# KiCad board hdmi-edid-debug-board.kicad_pcb (continued)
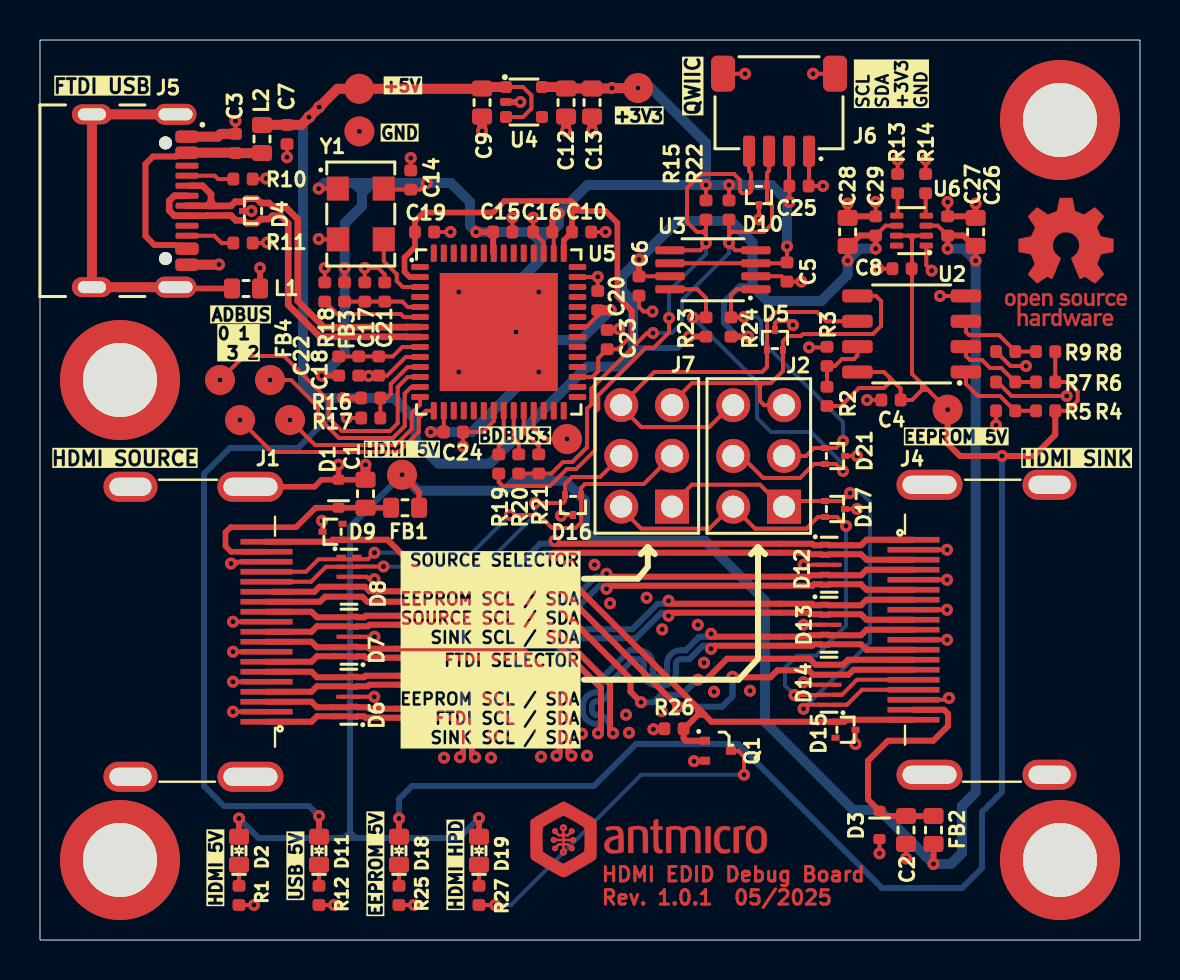
[diagram p0: board, top side]
## Library data of the parts (continued)
R10 = -: Datasheet: https://www.bourns.com/docs/product-datasheets/cr.pdf; MPN: CR0402-FX-5101GLF; Manufacturer: Bourns; License: Apache-2.0; Author: Antmicro; Val: 5k1; Tolerance: 1%; Public: False; Field11: License: Apache-2.0; Field13: Author: Antmicro
R11 = -: Datasheet: https://www.bourns.com/docs/product-datasheets/cr.pdf; MPN: CR0402-FX-5101GLF; Manufacturer: Bourns; License: Apache-2.0; Author: Antmicro; Val: 5k1; Tolerance: 1%; Public: False; Field11: License: Apache-2.0; Field12: Author: Antmicro
R12 R27 = -: Datasheet: https://www.bourns.com/docs/product-datasheets/cr.pdf; Description: SMD Chip Resistor, 560 ohm, ± 1%, 100 mW, 0402 [1005 Metric], Thick Film, Precision; MPN: CR0402-FX-5600GLF; Manufacturer: Bourns; License: Apache-2.0; Author: Antmicro; Val: 560R; Tolerance: 1%; Field10: Author: Antmicro; Field12: License: Apache-2.0
R13 R14 = -: Datasheet: https://industrial.panasonic.com/cdbs/www-data/pdf/RDA0000/AOA0000C301.pdf; Description: SMD Chip Resistor, Jumper, 0 ohm, 100 mW, 0402 [1005 Metric], Thick Film, General Purpose; MPN: ERJ2GE0R00X; Manufacturer: Panasonic; License: Apache-2.0; Author: Antmicro; Val: 0R; Current: 1A; Field11: License: Apache-2.0; Field12: Author: Antmicro
R15 = -: Datasheet: https://www.bourns.com/docs/product-datasheets/cr.pdf; Description: SMD Chip Resistor, 4.7 kohm, ± 1%, 62.5 mW, 0402 [1005 Metric], Thick Film, General Purpose; Manufacturer: Bourns; MPN: CR0402-FX-4701GLF; Val: 4k7; License: Apache-2.0; Author: Antmicro; Tolerance: 1%; Field10: License: Apache-2.0; Field12: Author: Antmicro
R16 = -: Datasheet: https://www.bourns.com/docs/product-datasheets/cr.pdf; Manufacturer: Bourns; MPN: CR0402-FX-4701GLF; Val: 4k7; License: Apache-2.0; Author: Antmicro; Tolerance: 1%; Public: False; Field11: Author: Antmicro; Field12: License: Apache-2.0
R17 = -: Datasheet: https://www.bourns.com/docs/product-datasheets/cr.pdf; Manufacturer: Bourns; MPN: CR0402-FX-1002GLF; Val: 10k; License: Apache-2.0; Author: Antmicro; Tolerance: 1%; Public: False; Field11: License: Apache-2.0; Field12: Author: Antmicro
R18 = -: Datasheet: https://www.bourns.com/docs/product-datasheets/cr.pdf; Manufacturer: Bourns; MPN: CR0402-FX-1202GLF; Val: 12k; License: Apache-2.0; Author: Antmicro; Tolerance: 1%; Public: False; Field11: License: Apache-2.0; Field13: Author: Antmicro
R19 = -: Datasheet: https://industrial.panasonic.com/cdbs/www-data/pdf/RDA0000/AOA0000C301.pdf; Description: SMD Chip Resistor, Jumper, 0 ohm, 100 mW, 0402 [1005 Metric], Thick Film, General Purpose; MPN: ERJ2GE0R00X; Manufacturer: Panasonic; License: Apache-2.0; Author: Antmicro; Val: 0R; Current: 1A; Field12: Author: Antmicro; Field13: License: Apache-2.0
R20 R21 = -: Datasheet: https://industrial.panasonic.com/cdbs/www-data/pdf/RDA0000/AOA0000C301.pdf; Description: SMD Chip Resistor, Jumper, 0 ohm, 100 mW, 0402 [1005 Metric], Thick Film, General Purpose; MPN: ERJ2GE0R00X; Manufacturer: Panasonic; License: Apache-2.0; Author: Antmicro; Val: 0R; Current: 1A; Field11: Author: Antmicro; Field13: License: Apache-2.0
R22 R23 = -: Datasheet: https://www.bourns.com/docs/product-datasheets/cr.pdf; Description: SMD Chip Resistor, 4.7 kohm, ± 1%, 62.5 mW, 0402 [1005 Metric], Thick Film, General Purpose; MPN: CR0402-FX-4701GLF; Manufacturer: Bourns; License: Apache-2.0; Author: Antmicro; Val: 4k7; Tolerance: 1%; Field11: License: Apache-2.0; Field12: Author: Antmicro
R24 = -: Datasheet: https://www.bourns.com/docs/product-datasheets/cr.pdf; Description: SMD Chip Resistor, 4.7 kohm, ± 1%, 62.5 mW, 0402 [1005 Metric], Thick Film, General Purpose; MPN: CR0402-FX-4701GLF; Manufacturer: Bourns; License: Apache-2.0; Author: Antmicro; Val: 4k7; Tolerance: 1%; Field10: Author: Antmicro; Field12: License: Apache-2.0
R25 = -: Datasheet: https://www.bourns.com/docs/product-datasheets/cr.pdf; Description: SMD Chip Resistor, 560 ohm, ± 1%, 100 mW, 0402 [1005 Metric], Thick Film, Precision; MPN: CR0402-FX-5600GLF; Manufacturer: Bourns; License: Apache-2.0; Author: Antmicro; Val: 560R; Tolerance: 1%; Field10: License: Apache-2.0; Field11: Author: Antmicro
R26 = -: Datasheet: https://www.bourns.com/docs/product-datasheets/cr.pdf; MPN: CR0402-FX-1002GLF; Manufacturer: Bourns; License: Apache-2.0; Author: Antmicro; Val: 10k; Tolerance: 1%; Field11: Author: Antmicro; Field12: License: Apache-2.0
REF** = -: Field4: License: Apache-2.0; Field5: Author: Antmicro
REF**#2 = -: Field4: License: Apache-2.0; Field6: Author: Antmicro
TP1 TP3 TP8 = -: Description: test point, SMT; Author: Antmicro; License: Apache-2.0; Field8: Author: Antmicro; Field10: License: Apache-2.0
TP2 = -: Description: test point, SMT; Author: Antmicro; License: Apache-2.0; Field8: Author: Antmicro; Field9: License: Apache-2.0
TP4 TP5 TP10 = -: Description: test point, SMT; Author: Antmicro; License: Apache-2.0; Field9: Author: Antmicro; Field10: License: Apache-2.0
TP6 = -: Description: test point, SMT; Author: Antmicro; License: Apache-2.0; Field8: License: Apache-2.0; Field10: Author: Antmicro
TP7 = -: Description: test point, SMT; Author: Antmicro; License: Apache-2.0; Field8: License: Apache-2.0; Field9: Author: Antmicro
TP9 = -: Description: test point, SMT; Author: Antmicro; License: Apache-2.0; Field9: License: Apache-2.0; Field10: Author: Antmicro
U2 = -: Datasheet: https://www.mouser.com/datasheet/2/268/24AA024_24LC024_24AA025_24LC025_2_Kbit_I2C_Serial_-3005761.pdf; Description: EEPROM, 2 Kbit, 256 x 8bit, Serial I2C (2-Wire), 1.7V-5.5V, 400 kHz, SOIC 8 Pins; MPN: 24AA024T-I/SN; Manufacturer: Microchip Technology; Author: Antmicro; License: Apache-2.0; Field9: License: Apache-2.0; Field10: Author: Antmicro
U3 = -: Datasheet: https://www.mouser.com/datasheet/2/302/NTS0102-1127324.pdf; Description: Transceiver, 1.65 V to 3.6 V, TSSOP-8; MPN: NTS0102DP; Manufacturer: NXP; Author: Antmicro; License: Apache-2.0; Field8: License: Apache-2.0; Field10: Author: Antmicro
U4 = -: Datasheet: https://www.ti.com/general/docs/suppproductinfo.tsp?distId=26&gotoUrl=http%3A%2F%2Fwww.ti.com%2Flit%2Fgpn%2Ftlv700; MPN: TLV70033DCKR; Manufacturer: Texas Instruments; Author: Antmicro; License: Apache-2.0; Field8: Author: Antmicro; Field10: License: Apache-2.0
U5 = -: Datasheet: https://ftdichip.com/wp-content/uploads/2024/09/DS_FT4232H.pdf; Description: Interface Bridges, USB to UART, MPSSE, 1.62 V, 1.98 V, VQFN, 56 Pins, -40 °C; Manufacturer: FTDI Chip; MPN: FT4232H-56Q-REEL; Author: Antmicro; License: Apache-2.0; Field8: Author: Antmicro; Field9: License: Apache-2.0
U6 = -: Datasheet: https://www.ti.com/lit/ds/symlink/tps2117.pdf; Description: TPS2117 1.6-V to 5.5-V, 4-A Low IQ Power Mux With Manual and Priority Switchover; Manufacturer: Texas Instruments; Author: Antmicro; License: Apache-2.0; Field8: License: Apache-2.0; Field9: Author: Antmicro; ki_fp_filters: DRL0008A-MFG
Y1 = -: Datasheet: https://www.mouser.com/datasheet/2/3/ASFLMB-24525.pdf; MPN: ASFLMB-12.000MHZ-LC-T; Manufacturer: Abracon; Author: Antmicro; License: Apache-2.0; Val: 12 MHz; Public: False; Field10: Author: Antmicro; Field11: License: Apache-2.0

## Footprints (pads in the part's own frame, mm; a bottom-side part is the same pattern mirrored in y, then rotated)
C_0402_1005Metric
  rrect 0.59x0.64 smd: 1(-0.48,0) 2(0.48,0)
C_0603_1608Metric
  rrect 0.8x1 smd: 1(-0.7,0) 2(0.7,0)
Conn_JST_SH_1x4_SM04B-SRSS-TB-LF-SN
  rrect 0.6x1.55 smd: 1(-1.5,2.12) 2(-0.5,2.12) 3(0.5,2.12) 4(1.5,2.12)
  rrect 1.2x1.8 smd: MP(-2.8,-1.755) MP(2.8,-1.755)
FB_0402_1005Metric
  rrect 0.59x0.64 smd: 1(-0.48,0) 2(0.48,0)
FB_0603_1608Metric
  rrect 0.8x1 smd: 1(-0.7,0) 2(0.7,0)
HDMI-A_Receptacle_WE_685119134923
  rect 0.28x2.6 smd: 1(-4.55,-5.224) 2(-4.05,-5.224) 3(-3.551,-5.224) 4(-3.051,-5.224) 5(-2.551,-5.224) 6(-2.05,-5.224) 7(-1.551,-5.224) 8(-1.051,-5.224) 9(-0.551,-5.224) 10(-0.051,-5.224) 11(0.45,-5.224) 12(0.95,-5.224) 13(1.449,-5.224) 14(1.949,-5.224) 15(2.45,-5.224) 16(2.95,-5.224) 17(3.45,-5.224) 18(3.95,-5.224) 19(4.45,-5.224)
  oval 1.5x2.7 hole 0.9x2.1: SH(-7.3,1.577) SH(7.2,1.577)
  oval 1.5x3.3 hole 0.9x2.7: SH(-7.3,-4.424) SH(7.2,-4.424)
LED_0603_1608Metric_G
  rrect 0.8x1 smd: 1(-0.7,0) 2(0.7,0)
Nexperia_DFN-10_2.5x1mm_P0.5mm
  rect 0.2x0.475 smd: 1(-1,-0.388) 2(-0.5,-0.388) 3(0,-0.388) 4(0.5,-0.388) 5(1,-0.388) 6(1,0.388) 7(0.5,0.388) 8(0,0.388) 9(-0.501,0.388) 10(-1,0.388)
Oscillator_SMD_Abracon_ASFLMB_5x3.2x0.85mm
  rect 1.1x1.2 smd: 1(-1.049,1.17) 2(-1.049,-1.369) 3(1.252,-1.369) 4(1.252,1.17)
PinHeader_2x3_P2.54mm_Drill1.1mm
  rect 1.7x1.7 hole 1.1: 1(0,0)
  oval 1.7x1.7 hole 1.1: 2(2.539,0) 3(0,-2.539) 4(2.539,-2.539) 5(0,-5.078) 6(2.539,-5.078)
QFN-56-1EP_8x8mm_P0.5mm
  rrect 1.13x1.13 smd: (-2.101,2.101) (-2.101,0.7) (-2.101,-0.699) (-2.101,-2.1) (-0.7,2.101) (-0.7,0.7) (-0.7,-0.699) (-0.7,-2.1) (0.699,2.101) (0.699,0.7) (0.699,-0.699) (0.699,-2.1) (2.1,2.101) (2.1,0.7) (2.1,-0.699) (2.1,-2.1)
  rrect 0.875x0.3 smd: 1(-3.938,3.25) 2(-3.938,2.75) 3(-3.938,2.25) 4(-3.938,1.75) 5(-3.938,1.25) 6(-3.938,0.75) 7(-3.938,0.25) 8(-3.938,-0.249) 9(-3.938,-0.749) 10(-3.938,-1.249) 11(-3.938,-1.749) 12(-3.938,-2.249) 13(-3.938,-2.749) 14(-3.938,-3.249) 29(3.937,-3.249) 30(3.937,-2.749) 31(3.937,-2.249) 32(3.937,-1.749) 33(3.937,-1.249) 34(3.937,-0.749) 35(3.937,-0.249) 36(3.937,0.25) 37(3.937,0.75) 38(3.937,1.25) 39(3.937,1.75) 40(3.937,2.25) 41(3.937,2.75) 42(3.937,3.25)
  rrect 0.3x0.875 smd: 15(-3.25,-3.937) 16(-2.75,-3.937) 17(-2.25,-3.937) 18(-1.75,-3.937) 19(-1.25,-3.937) 20(-0.75,-3.937) 21(-0.25,-3.937) 22(0.249,-3.937) 23(0.749,-3.937) 24(1.249,-3.937) 25(1.749,-3.937) 26(2.249,-3.937) 27(2.749,-3.937) 28(3.249,-3.937) 43(3.249,3.938) 44(2.749,3.938) 45(2.249,3.938) 46(1.749,3.938) 47(1.249,3.938) 48(0.749,3.938) 49(0.249,3.938) 50(-0.25,3.938) 51(-0.75,3.938) 52(-1.25,3.938) 53(-1.75,3.938) 54(-2.25,3.938) 55(-2.75,3.938) 56(-3.25,3.938)
  rect 5.9x5.9 smd: 57(0,0)
R_0402_1005Metric
  rrect 0.59x0.64 smd: 1(-0.48,0) 2(0.48,0)
SC-70-5
  rrect 0.6x0.6 smd: 1(-0.756,-0.893) 3(0.743,-0.893) 4(0.743,0.907) 5(-0.756,0.907)
  rrect 0.4x0.6 smd: 2(-0.006,-0.893)
SOD-523
  rrect 0.5x0.6 smd: 1(-0.701,0) 2(0.699,0)
SOIC-8_3.9x4.9x1.75mm_P1.27mm
  rrect 1.525x0.65 smd: 1(-2.714,1.905) 2(-2.714,0.635) 3(-2.714,-0.632) 4(-2.714,-1.902) 5(2.712,-1.902) 6(2.712,-0.632) 7(2.712,0.635) 8(2.712,1.905)
SOT-523
  rect 0.4x0.51 smd: 1(-0.5,-0.65) 2(0.498,-0.65) 3(0,0.652)
SOT-583
  rrect 0.67x0.3 smd: 1(-0.739,0.75) 2(-0.739,0.251) 3(-0.739,-0.249) 4(-0.739,-0.75) 5(0.74,-0.75) 6(0.74,-0.249) 7(0.74,0.251) 8(0.74,0.75)
SOT-723
  rect 0.4x0.3 smd: 1(-0.501,0.401) 2(-0.501,-0.399) 3(0.499,0.001)
Spacer_Drill3.7mm_H5mm_9774050151R
  custom 2.563x2.563 smd: (-1.7,-1.7) (-1.7,1.7) (1.7,-1.7) (1.7,1.7)
  round 6 hole 3.7: 1(0,0)
TP_SMD_1.5mm
  round 1.5 smd: 1(0,0)
TSSOP-8_3x3mm_P0.65mm
  rrect 1.47x0.4 smd: 1(-2.148,0.962) 2(-2.148,0.313) 3(-2.148,-0.338) 4(-2.148,-0.987) 5(2.151,-0.987) 6(2.151,-0.338) 7(2.151,0.313) 8(2.151,0.962)
USB-C_Receptacle_GCT_USB4105-GF-A
  round 0.65 hole 0.65 unplated: (-2.891,2.426) (2.89,2.426)
  rrect 0.6x1.15 smd: A1(-3.202,3.5) A4(-2.4,3.5) A9(2.398,3.5) A12(3.2,3.5) B1(3.2,3.5) B4(2.398,3.5) B9(-2.4,3.5) B12(-3.202,3.5)
  rrect 0.3x1.15 smd: A5(-1.25,3.5) A6(-0.25,3.5) A7(0.248,3.5) A8(1.249,3.5) B5(1.749,3.5) B6(0.748,3.5) B7(-0.75,3.5) B8(-1.75,3.5)
  oval 1.05x2.1 hole 0.6x1.7: SH(-4.321,2.926) SH(4.32,2.926)
  oval 1x2 hole 0.6x1.4: SH(-4.321,-1.255) SH(4.32,-1.255)

## Nets
+3V3: C5.1 C12.1 C13.1 C14.1 C15.1 C16.1 C20.1 C24.1 C25.2 FB3.1 FB4.1 J6.2 R15.2 R22.2 TP10.1 U3.3 U3.6 U4.5 U5.16 U5.36 U5.44 U5.50 Y1.1 Y1.4
+5V: C6.1 C7.1 C9.1 C28.2 C29.2 D11.2 L2.1 R16.2 R23.2 R24.2 TP9.1 U3.7 U4.1 U4.3 U6.6
GND: C1.1 C2.1 C3.2 C4.1 C5.2 C6.2 C7.2 C8.1 C9.2 C10.2 C12.2 C13.2 C14.2 C15.2 C16.2 C17.2 C18.1 C19.2 C20.2 C21.2 C22.1 C23.2 C24.2 C25.1 C26.1 C27.1 C28.1 C29.1 D1.2 D3.2 D4.3 D5.3 D6.3 D6.8 D7.3 D7.8 D8.3 D8.8 D9.3 D10.3 D12.3 D12.8 D13.3 D13.8 D14.3 D14.8 D15.3 D16.3 D17.3 D21.3 H1.1 H2.1 H3.1 H4.1 J1.2 J1.5 J1.8 J1.11 J1.17 J1.SH J4.2 J4.5 J4.8 J4.11 J4.17 J4.SH J5.A1 J5.A12 J5.B1 J5.B12 J6.1 J6.MP L1.2 Q1.2 R1.1 R3.1 R5.1 R7.1 R9.1 R10.2 R11.2 R12.2 R13.1 R14.1 R17.1 R18.2 R25.2 R26.1 TP1.1 U2.4 U3.2 U4.2 U5.10 U5.21 U5.41 U5.45 U5.57 U6.1 Y1.2
GNDREF: J5.SH L1.1
/A0: R4.1 R5.2 U2.1
/A1: R6.1 R7.2 U2.2
/A2: R8.1 R9.2 U2.3
/EEPROM_5V: C4.2 C8.2 D18.2 R2.2 R4.2 R6.2 R8.2 TP8.1 U2.8 U6.2 U6.7
/EEPROM_SCL: D5.1 J2.6 J7.6 U2.6
/EEPROM_SDA: D5.2 J2.5 J7.5 U2.5
/FTDI_SCL: D21.2 J2.4 R23.1 U3.8
/FTDI_SDA: D21.1 J2.3 R24.1 U3.1
/HDMI_5V: C26.2 C27.2 D2.2 D19.2 FB1.2 FB2.1 TP2.1 U6.3
/HDMI_CEC: D8.5 D8.6 D14.5 D14.6 J1.13 J4.13
/HDMI_CK_N: D7.5 D7.6 D13.5 D13.6 J1.12 J4.12
/HDMI_CK_P: D7.4 D7.7 D13.4 D13.7 J1.10 J4.10
/HDMI_D0_N: D7.2 D7.9 D13.2 D13.9 J1.9 J4.9
/HDMI_D0_P: D7.1 D7.10 D13.1 D13.10 J1.7 J4.7
/HDMI_D1_N: D6.5 D6.6 D12.5 D12.6 J1.6 J4.6
/HDMI_D1_P: D6.4 D6.7 D12.4 D12.7 J1.4 J4.4
/HDMI_D2_N: D6.2 D6.9 D12.2 D12.9 J1.3 J4.3
/HDMI_D2_P: D6.1 D6.10 D12.1 D12.10 J1.1 J4.1
/HDMI_HPD: D9.1 D15.1 J1.19 J4.19 Q1.1 R26.2
/HDMI_UTIL: D8.4 D8.7 D14.4 D14.7 J1.14 J4.14
/OSCI: U5.3 Y1.3
/SCL: D10.2 J6.4 R15.1 R19.2 U3.5
/SDA: D10.1 J6.3 R20.2 R21.2 R22.1 U3.4
/SINK_5V: C2.2 D3.1 FB2.2 J4.18
/SINK_SCL: D14.2 D14.9 D17.2 J2.2 J4.15 J7.2
/SINK_SDA: D14.1 D14.10 D17.1 J2.1 J4.16 J7.1
/SOURCE_5V: C1.2 D1.1 FB1.1 J1.18
/SOURCE_SCL: D8.2 D8.9 D16.2 J1.15 J7.4
/SOURCE_SDA: D8.1 D8.10 D16.1 J1.16 J7.3
/USB_D_N: D4.2 J5.A7 J5.B7 U5.7
/USB_D_P: D4.1 J5.A6 J5.B6 U5.8
/VPHY: C17.1 C21.1 FB3.2 U5.5
/VPLL: C18.2 C22.2 FB4.2 U5.9
/VREGOUT: C10.1 C19.1 C23.1 U5.2 U5.31 U5.43
/WP: R2.1 R3.2 U2.7
/~{RESET}: R16.1 R17.2 U5.11
Net-(C3-Pad1): C3.1 J5.A4 J5.A9 J5.B4 J5.B9 L2.2
Net-(D2-C): D2.1 R1.2
Net-(D11-C): D11.1 R12.1
Net-(D18-C): D18.1 R25.1
Net-(D19-C): D19.1 R27.2
Net-(J5-CC_{1}): J5.A5 R10.1
Net-(J5-CC_{2}): J5.B5 R11.1
Net-(Q1-D): Q1.3 R27.1
Net-(U5-ADBUS0): TP3.1 U5.12
Net-(U5-ADBUS1): TP4.1 U5.13
Net-(U5-ADBUS2): TP5.1 U5.14
Net-(U5-ADBUS3): TP6.1 U5.15
Net-(U5-BDBUS0): R19.1 U5.22
Net-(U5-BDBUS1): R20.1 U5.23
Net-(U5-BDBUS2): R21.1 U5.24
Net-(U5-BDBUS3): TP7.1 U5.25
Net-(U5-REF): R18.1 U5.6
Net-(U6-MODE): R13.2 U6.5
Net-(U6-PR1): R14.2 U6.4

Pads without a net: D9 2; D15 2; J5 A8 B8; U4 4; U5 1 4 17 18 19 20 26 27 28 29 30 32 33 34 35 37 38 39 40 42 46 47 48 49 51 52 53 54 55 56; U6 8

## Via types
v1: diameter 0.6, hole 0.25, Top to Bottom, 175 vias

## Routing (per net, layer and track width the routed paths; a pad name or vN(x,y) marks a point on that pad's centre or on a via; arc(x,y) is an arc through that point)
+3V3: length 96.8
  Top w0.2: U5.16 20.19,25.4 20.19,25.4 ; v1(37.35,34.68) C5.1 37.31,33.84 U3.3 U3.6 ; FB3.1 15.23,33.59 v1(15.24,33.6) ; v1(19.34,37.85) 19.01,37.52 C14.1 17.24,37.52 Y1.4 ; v1(33.3,37.75) 33.3,36.98 ; C16.1 25.69,35.33 U5.44 ; 27.89,31.43 27.89,31.22 27.31,30.65 U5.36 ; v1(13.94,37.57) Y1.1 ; v1(34.45,37.75) 34.45,36.98 ; J6.2 37.45,37.72 C25.2 v1(37.47,36.9)
  Top w0.3: v1(14.09,28.22) FB4.1 ; v1(25.94,36.32) 25.62,35.99 C16.1 ; U5.50 22.66,34.37 C15.1 v1(21.81,35.4) ; v1(19.54,25.4) 20.19,25.4
  Top w0.5: v1(29.9,42.6) v1(28.6,42.6) 28.57,42.57 C13.1 C12.1 26.23,42.65 U4.5 ; v1(28.54,31.49) C20.1
  Bottom w0.5: 16.1,37.35 16.1,37.45 15.7,37.85 ; 16.1,37.35 16.1,36.7 15.24,35.84 15.24,29.37 v1(14.09,28.22) ; 16.1,37.35 16.1,37.77 16.02,37.85 ; 16.1,37.35 16.55,37.8 16.55,37.85 ; v1(33.3,37.75) 27.38,37.75 v1(25.94,36.32) 25.94,35.77 25.57,35.4 25.4,35.4 ; v1(33.3,37.75) v1(34.45,37.75) 36.57,37.75 37.42,36.9 37.35,36.83 v1(37.35,34.68) ; v1(33.3,37.75) 33.3,39.85 30.55,42.6 v1(29.9,42.6) ; 24.97,34.97 24.97,35.4 ; 24.97,34.97 24.98,34.97 25.4,35.4 ; 24.97,34.97 24.95,34.97 24.52,35.4 ; 24.97,34.97 24.97,33.97 23.95,32.95 23.95,31.95 24.97,30.92 24.97,30.38 ; 24.97,35.4 24.52,35.4 ; 24.97,35.4 25.4,35.4 ; 25.32,30 24.97,30.35 24.97,30.38 ; 25.32,30 25,30 24.97,29.97 ; 25.32,30 27.04,30 v1(28.54,31.49) ; 25.32,30 24.97,29.65 24.97,29.62 ; 24.97,29.62 23.9,28.55 23.9,27.7 21.6,25.4 v1(19.54,25.4) ; 24.97,29.62 24.97,29.97 ; 24.52,35.4 21.81,35.4 21.5,35.71 21.5,36.9 20.55,37.85 16.55,37.85 ; 15.7,37.85 16.02,37.85 ; 15.7,37.85 14.22,37.85 v1(13.94,37.57) ; 16.55,37.85 16.02,37.85 ; 24.97,29.97 24.97,30.38
+5V: length 122.3
  Top w0.2: U4.3 24.15,41.15 24.57,41.57 24.57,42.23 24.15,42.65 U4.1 ; U6.6 42.28,35.72 C29.2 ; U3.7 29.91,33.19
  Top w0.28: v1(40.38,33.97) C28.2 ; v1(41.78,34.57) C29.2
  Top w0.3: C29.2 40.99,35.22 40.47,34.7 C28.2 ; v1(32.45,30.17) R23.2 ; v1(15.14,27.1) R16.2 ; v1(13.95,6.2) D11.2 ; v1(29.95,34.03) C6.1 ; v1(35.4,30.17) R24.2
  Top w0.5: 11.1,40.75 C7.1 13.07,40.75 v1(13.45,41.14) ; 13.29,40.98 14.87,42.56 TP9.1 22.09,42.56 C9.1 22.18,42.65 U4.1
  Bottom w0.3: 29.65,29.6 31.88,29.6 v1(32.45,30.17) ; v1(35.4,30.17) 34.88,30.17 34.2,30.85 34.2,31.9 35,32.7 35.62,32.7 ; 14.4,27.1 14.4,26.1 12.9,24.6 9.5,24.6 8.2,23.3 8.2,7.7 9.2,6.7 13.45,6.7 v1(13.95,6.2)
  Bottom w0.5: v1(41.78,34.57) 40.98,34.57 v1(40.38,33.97) 40.38,33.27 39.06,31.95 36.38,31.95 35.62,32.7 35.62,34.88 34.55,35.95 31.87,35.95 v1(29.95,34.03) 29.1,33.18 29.1,32.48 29.65,31.93 29.65,29.4 28.92,28.67 27.35,28.67 22.5,23.82 19.92,23.82 18.77,24.97 18.77,26.02 17.7,27.1 13.8,27.1 13.15,27.75 13.15,40.84 v1(13.96,41.65)
GND: length 98.9
  Top w0.2: R18.2 14.24,33.6 v1(14.24,33.6) ; J1.2 v1(9.65,11.41) ; J1.17 9.64,18.91 ; 39.74,43.1 39.75,43.1 ; 18.54,38.48 18.54,39.1 v1(18.54,39.1) ; 21.15,24.68 C24.2 22.14,25.4 22.69,25.95 U5.21 ; D14.3 38.56,12.76 38.44,12.89 ; R25.2 v1(18.7,1.75) ; v1(28.28,35.4) 28.28,35.4 C10.2 ; D12.8 38.45,18.76 ; 9.95,12.91 9.95,12.91 ; J4.17 45.36,12.01 ; 9.95,14.41 9.95,14.41 ; v1(35.25,43.31) 34.16,43.31 ; C6.2 29.95,31.65 30.17,31.42 v1(30.62,31.42) ; D4.3 10.57,36.45 v1(10.57,36.45) ; v1(35.95,36.03) 35.95,36.03 D10.3 ; C22.1 17.36,28.22 18.29,29.15 U5.10 ; v1(11.3,38.07) 11.27,38.05 R10.2 ; D15.3 v1(40.77,9.8) ; 43.3,4.8 43.3,4.08 ; U2.4 46.29,32.2 v1(45,32.2) ; J1.8 9.65,14.41 ; v1(9.77,40.95) C3.2 ; R9.1 48.52,28.7 v1(49.3,28.7) ; R7.1 47.88,27.9 48.58,27.2 v1(51.33,27.2) ; v1(44.58,33.47) 44.31,33.74 U6.1 ; v1(28.95,30.54) 28.91,30.5 C23.2 ; R1.1 v1(10.7,1.75) ; R17.1 v1(15.34,26.1) ; 26.05,21.25 D16.3 ; C15.2 v1(23.62,36.12) ; J1.11 v1(9.65,15.91) ; 39.15,37.7 C25.1 38.45,37.72 J6.1 ; R12.2 v1(14.7,1.75) ; 38.48,29.66 38.51,29.63 39.32,29.63 R3.1 ; C4.1 41.35,27 ; C17.2 16.24,33.6 ; C27.1 45.38,36.9 ; U5.41 27.64,33.15 27.65,33.16 v1(27.89,33.16) 27.89,32.46 C20.2 ; U5.45 25.19,34.87 C16.2 v1(24.66,36.12) ; 16.46,18.04 16.34,18.16 D8.3 ; v1(45.35,16.51) 45.35,16.51 J4.8 ; D5.3 36.75,30.85 36.85,30.95 37.45,30.95 v1(37.65,30.75) ; C19.2 v1(20.52,35.4) ; v1(12.35,39.14) C7.2 ; v1(14.1,20.96) 14.13,20.94 14.13,20.41 ; D13.8 38.44,15.76 ; Y1.2 13.96,35.03 v1(13.94,35.05) ; R14.1 44.28,39.02 ; D21.3 40.85,24.2 v1(40.85,24.2) ; 34.16,43.1 34.15,43.1 ; 38.07,32.92 C5.2 37.08,33.19 U3.2 ; v1(38.65,43.31) 39.74,43.31 ; J1.5 9.65,12.91 ; 10.68,1.75 10.7,1.77 ; R26.1 30.69,10.56 ; D6.8 16.45,12.16 ; J4.11 v1(45.35,15.01) ; v1(11.35,34.88) 11.32,34.85 R11.2 ; R5.1 47.8,25.74 ; C29.1 41.78,36.9 ; C21.2 17.24,33.27 16.91,33.6 v1(16.24,33.6) ; 9.94,18.91 9.85,18.82 ; 40.85,21.55 D17.3 ; Q1.2 32.72,8.97 ; D7.8 16.46,15.16 ; C8.1 41.9,33.57 ; J4.5 45.35,18.01 ; D3.2 41.97,4.33 ; R13.1 42.88,39.02 ; J4.2 v1(45.35,19.51)
  Top w0.28: v1(14.92,23.76) 14.92,23.01 ; 14.93,23.01 C1.1 ; 14.92,23.01 14.07,23.01 13.72,22.66 J1.SH
  Top w0.3: v1(40.38,36.82) 40.38,36.82 C28.1 40.46,36.18 C29.1 ; L1.2 v1(11,33.6) ; v1(46.78,36.82) 46.78,36.82 C26.1 46.7,36.18 C27.1 ; U4.2 24.02,41.9
  Top w0.5: 7.5,40.16 8.89,40.16 9.03,40.3 C3.2 ; v1(16.27,23.76) C1.1 ; v1(8.95,33.77) 8.94,33.76 J5.A12 ; C13.2 27.6,40.45 ; C9.2 22.1,40.45 ; C12.2 26.3,40.45
  vias: v1(9.55,18.82) v1(9.65,14.41) v1(9.65,12.91) v1(15.97,40.43) v1(16.44,28.2) v1(16.72,18.04) v1(16.72,15.16) v1(16.71,12.16) v1(20.2,9.11) v1(20.94,32.4) v1(20.94,28.4) v1(21.15,24.68) v1(22.1,40.45) v1(22.55,9.11) v1(22.65,10.26) v1(23.8,30.4) v1(24.02,41.9) v1(24.94,32.4) v1(24.94,28.4) v1(25,10.31) v1(25.05,9.16) v1(26.05,21.21) v1(26.3,40.45) v1(26.45,18.76) v1(27.1,10.31) v1(27.35,9.21) v1(27.6,40.45) v1(27.72,18.76) v1(28.5,16.83) v1(29.3,11.26) v1(29.45,10.36) v1(30.33,17.11) v1(30.67,10.54) v1(31.08,11.44) v1(31.11,15.53) v1(32.7,8.94) v1(32.89,15.76) v1(33.2,13.86) v1(33.7,12.41) v1(35.5,12.46) v1(38.07,32.92) v1(38.19,18.76) v1(38.17,15.76) v1(38.17,12.89) v1(38.45,29.63) v1(39.15,37.7) v1(40.85,21.55) v1(41.35,27) v1(41.78,36.9) v1(41.9,33.57) v1(41.98,4.33) v1(42.88,39.02) v1(43.3,4.08) v1(44.28,39.02) v1(45.38,36.9) v1(45.35,18.01) v1(45.45,12.1) v1(47.8,25.74)
GNDREF: length 19.7
  Top w0.28: 6.86,32.57 L1.1
  Top w0.5: J5.SH J5.SH J5.SH J5.SH
/A0: length 4.7
  Top w0.2: R4.1 R5.2 48.74,26.46 48,27.2 46.9,27.2 46.3,27.8 U2.1
/A1: length 4.5
  Top w0.2: U2.2 46.3,29.2 46.5,29 47.1,29 47.5,28.6 48.06,28.6 R7.2 R6.1
/A2: length 4.5
  Top w0.2: U2.3 46.3,30.4 46.46,30.24 47.96,30.24 48.76,29.44 R9.2 R8.1
/EEPROM_5V: length 91
  Top w0.2: R2.2 40.05,26.7 40.95,27.6 42.2,27.6 42.45,27.85 ; 42.45,27.85 42.5,27.9 ; 42.45,27.85 42.6,28 ; 42.5,27.9 42.7,27.9 ; 42.5,27.9 42.5,28.1 42.45,28.15 ; 43.42,35.22 43.45,35.22 43.6,35.06 ; 43.42,35.22 43.6,35.22 ; 43.42,35.22 U6.7 ; 42.7,27.9 42.6,28 ; 42.7,27.9 43.03,27.57 C4.2 43.6,27 44.1,27.5 ; 42.6,28 42.45,28.15 ; U2.8 42.2,28.4 42.45,28.15 ; 44.1,27.5 44.25,27.65 ; 44.1,27.5 44.1,27.8 ; 44.1,27.5 44.4,27.5 ; R4.2 51.37,26.46 51.88,26.97 51.88,27.43 51.41,27.9 R6.2 50.76,27.9 R8.2 ; 44.4,27.5 44.25,27.65 ; 44.4,27.5 v1(45.38,26.52) ; 44.25,27.65 44.1,27.8 ; 43.6,35.22 43.6,35.06 ; 43.6,35.22 43.75,35.22 ; 43.6,35.06 43.6,35.07 43.75,35.22 ; 43.6,35.06 43.6,28.3 44.1,27.8 ; 43.75,35.22 U6.2
  Top w0.3: R4.2 50.76,25.26 49.7,24.2 v1(48.1,24.2) 46,24.2 45.38,24.82 v1(45.38,26.52) ; D18.2 v1(17.95,6.08)
  Bottom w0.3: v1(17.95,6.08) 17.95,7.05 18.6,7.7 27.7,7.7 29.8,9.8 34.9,9.8 42.1,2.6 46.1,2.6 47.1,3.6 47.1,6.4 48.1,7.4 v1(48.1,24.2)
/EEPROM_SCL: length 21.8
  Top w0.2: 28.96,26.75 30.06,25.65 33.47,25.65 34.56,26.74 ; U2.6 39.31,30.93 38.85,31.4 36.8,31.4 36.35,30.95 36.35,28.65 36.1,28.4 30.71,28.4 J7.6
/EEPROM_SDA: length 18.1
  Top w0.2: 31.5,26.75 32.6,27.84 35.85,27.84 ; 35.85,27.84 36,27.84 ; 35.85,27.84 36,27.69 ; 36,27.84 36.15,27.84 ; 36,27.84 36,27.65 ; 36,27.65 36,26.95 36.21,26.74 37.1,26.74 ; 36,27.65 36,27.69 ; 36.15,27.84 36.54,27.84 37.15,28.45 37.15,29.95 37.4,30.2 38.05,30.2 38.15,30.3 41.65,30.3 42.05,30.7 42.05,31.95 41.79,32.2 U2.5 ; 36.15,27.84 36,27.69
/FTDI_SCL: length 21.9
  Top w0.2: v1(32.65,31.12) 32.66,31.13 R23.1 33.3,32.1 32.86,32.54 U3.8 ; J2.4 35.06,24.2 36.16,23.1 38,23.1 38.7,23.8 D21.2 39.8,23.8 v1(40.15,23.45)
  Bottom w0.2: v1(40.15,23.45) 40.15,23.8 38.55,25.4 36.55,25.4 35.85,26.1 35.85,27.92 v1(32.65,31.12)
/FTDI_SDA: length 15
  Top w0.2: v1(35.2,31.15) 35.18,31.13 R24.1 34.55,32.25 34.84,32.54 U3.1 ; J2.3 38.3,24.2 38.7,24.6 D21.1 39.8,24.6 v1(40.15,24.95)
  Bottom w0.2: v1(40.15,24.95) 40.15,25.9 36.05,30 36.05,30.95 35.85,31.15 v1(35.2,31.15)
/HDMI_5V: length 115.1
  Top w0.2: C27.2 44.89,35.72 U6.3
  Top w0.28: FB1.2 18.95,22.41 v1(18.1,23.26) ; v1(46.78,33.97) C26.2 ; v1(45.38,34.57) C27.2
  Top w0.3: 44.67,4.8 v1(44.67,3.8) ; 9.8,5.31 D2.2 v1(9.95,6.08) ; C27.2 46.18,35.22 46.7,34.7 ; D19.2 v1(21.95,6.1)
  Bottom w0.3: 15.5,5.1 15.8,5.1 ; 15.5,5.1 15,5.1 ; 15.5,5.1 15.5,5.4 ; 15.8,5.1 15.5,5.4 ; 15.8,5.1 20.95,5.1 v1(21.95,6.1) ; 15.5,5.4 15.5,20.66 v1(18.1,23.26) ; 15.5,5.4 15.2,5.1 15,5.1 ; 15,5.1 10.93,5.1 v1(9.95,6.08)
  Bottom w0.5: 36.25,10.91 40.66,6.5 41.97,6.5 v1(44.67,3.8) 45.55,3.8 46.1,4.35 46.1,6.7 46.78,7.38 v1(46.78,33.97) 46.18,34.57 v1(45.38,34.57) ; 36.25,10.87 36.25,16.96 33.25,19.96 27.75,19.96 27.25,20.46 27.25,21.96 26.25,22.96 23.75,22.96 23.25,22.46 18.9,22.46 v1(18.1,23.26)
/HDMI_CEC: length 36.2
  Top w0.3: J1.13 14,16.91 14.25,17.16 16.12,17.16 16.37,16.91 25.67,16.91 29.52,13.06 29.52,12.41 v1(30.05,11.89) ; v1(32.9,13.01) 33.3,13.01 34.35,14.06 38.48,14.06 38.78,13.76 40.15,13.76 40.4,14.01 J4.13
  Bottom w0.3: v1(32.9,13.01) 32.85,13.01 32.1,12.26 31.05,12.26 30.68,11.89 v1(30.05,11.89)
/HDMI_CK_N: length 43
  Top w0.3: J4.12 41.32,14.51 41.05,14.79 39.44,14.79 39.42,14.76 D13.5 39.04,14.79 38.68,14.79 38.61,14.71 36.98,14.71 36.97,14.71 33.7,14.71 v1(33.55,14.56) ; J1.12 13.57,16.41 13.85,16.14 15.46,16.14 15.48,16.16 D7.5 15.86,16.14 16.22,16.14 16.29,16.21 17.92,16.21 17.92,16.21 25.07,16.21 28.5,12.78 28.5,10.49 v1(28.65,10.34)
  Bottom w0.3: v1(33.55,14.56) 33.4,14.71 33.14,14.71 32.47,14.04 32.04,14.04 arc(31.87,13.97) 31.8,13.8 31.8,13.4 arc(31.6,12.91) 31.11,12.71 30.88,12.71 arc(30.39,12.91) 30.19,13.4 30.19,13.8 arc(30.12,13.97) 29.95,14.04 29.67,14.04 28.5,12.87 28.5,12.6 arc(28.3,12.13) 27.83,11.93 27.82,11.93 arc(27.66,11.87) 27.59,11.71 27.59,11.48 arc(27.66,11.33) 27.82,11.26 27.83,11.26 arc(28.3,11.06) 28.5,10.59 28.5,10.49 v1(28.65,10.34)
/HDMI_CK_P: length 43
  Top w0.3: J4.10 41.33,15.51 41.05,15.24 39.44,15.24 39.42,15.26 D13.4 39.04,15.24 38.5,15.24 38.42,15.16 36.98,15.16 36.97,15.16 33.7,15.16 v1(33.55,15.31) ; v1(27.9,10.34) 28.05,10.49 28.05,12.59 24.88,15.76 17.92,15.76 17.92,15.76 16.48,15.76 16.4,15.69 15.86,15.69 D7.4 15.48,15.66 15.46,15.69 13.85,15.69 13.57,15.41 11.32,15.41
  Bottom w0.3: v1(33.55,15.31) 33.4,15.16 32.96,15.16 32.28,14.49 32.04,14.49 arc(31.55,14.29) 31.35,13.8 31.35,13.4 arc(31.28,13.23) 31.11,13.16 30.88,13.16 arc(30.71,13.23) 30.64,13.4 30.64,13.8 arc(30.44,14.29) 29.95,14.49 29.48,14.49 28.05,13.06 28.05,12.6 arc(27.98,12.45) 27.83,12.38 27.82,12.38 arc(27.34,12.18) 27.14,11.71 27.14,11.48 arc(27.34,11.01) 27.82,10.81 27.83,10.81 arc(27.98,10.75) 28.05,10.59 28.05,10.49 v1(27.9,10.34)
/HDMI_D0_N: length 43
  Top w0.3: 39.06,16.26 39.42,16.26 39.44,16.29 40.35,16.29 41.05,16.29 41.32,16.01 J4.9 ; D13.2 39.04,16.29 38.5,16.29 38.42,16.36 37.05,16.36 37.05,16.36 31.57,16.36 v1(31.42,16.21) ; v1(26.57,9.21) 26.43,9.36 26.43,12.24 24.1,14.56 17.85,14.56 16.48,14.56 16.4,14.64 15.86,14.64 D7.2 15.48,14.66 15.46,14.64 14.55,14.64 14.55,14.64 13.85,14.64 13.57,14.91 J1.9
  Bottom w0.3: v1(31.42,16.21) 31.28,16.36 31.07,16.36 29.79,15.09 27,15.09 26.43,14.51 26.43,9.36 v1(26.57,9.21)
/HDMI_D0_P: length 43
  Top w0.3: v1(25.82,9.21) 25.97,9.36 25.97,12.05 23.91,14.11 17.85,14.11 16.29,14.11 16.22,14.19 15.86,14.19 D7.1 15.48,14.16 15.46,14.19 14.72,14.19 14.72,14.19 13.85,14.19 13.57,13.91 J1.7 ; v1(31.42,16.96) 31.57,16.81 37.05,16.81 38.61,16.81 38.68,16.74 39.04,16.74 D13.1 39.42,16.76 39.44,16.74 40.18,16.74 40.18,16.74 41.05,16.74 41.33,17.01 J4.7
  Bottom w0.3: v1(31.42,16.96) 31.28,16.81 30.88,16.81 29.61,15.54 26.81,15.54 25.97,14.7 25.97,9.36 v1(25.82,9.21)
/HDMI_D1_N: length 43
  Top w0.3: v1(24.2,10.29) 24.05,10.44 24.05,11.03 21.87,13.21 17.91,13.21 16.28,13.21 16.2,13.14 15.85,13.14 D6.5 15.47,13.16 15.44,13.14 13.85,13.14 13.57,13.41 J1.6 ; J4.6 41.32,17.51 41.05,17.79 39.46,17.79 39.43,17.76 D12.5 39.05,17.79 38.7,17.79 38.62,17.71 36.99,17.71 28.47,17.71 v1(28.32,17.56)
  Bottom w0.3: v1(24.2,10.29) 24.05,10.44 24.05,11.01 arc(23.86,11.48) 23.39,11.68 arc(23.24,11.74) 23.18,11.89 23.18,12.24 arc(23.24,12.39) 23.39,12.46 24.26,12.46 arc(24.73,12.65) 24.93,13.12 24.93,13.47 arc(24.73,13.94) 24.26,14.14 arc(24.11,14.2) 24.05,14.35 24.05,15.34 25.24,16.54 26.79,16.54 27.97,17.71 28.18,17.71 v1(28.32,17.56)
